# KiCad board fella.kicad_pcb (continued)
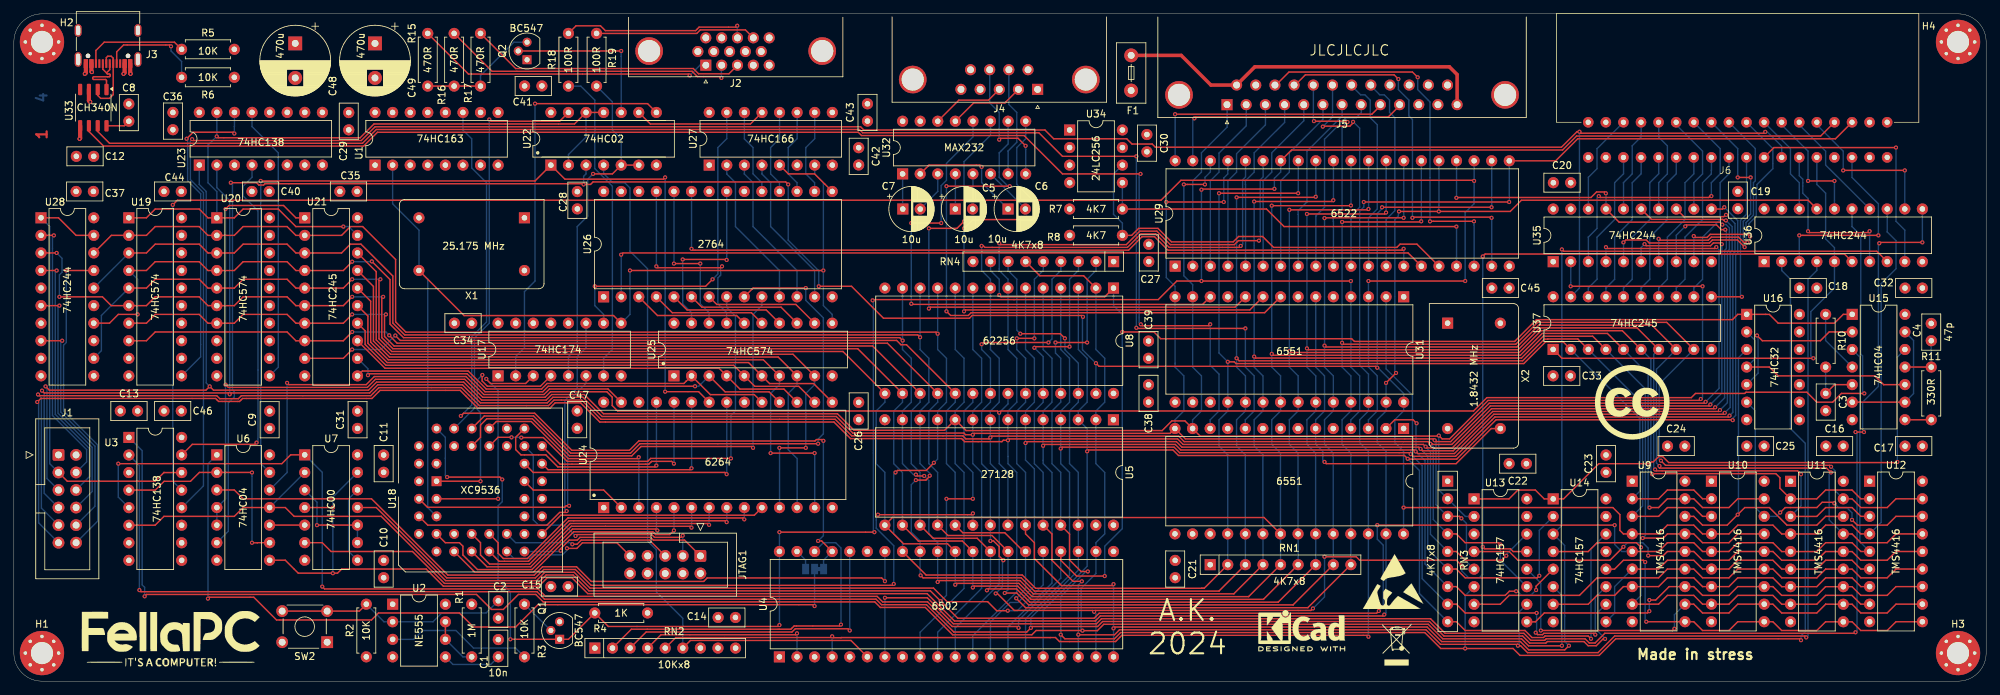
[diagram p0: board, top side]
## Routing (per net, layer and track width the routed paths; a pad name or vN(x,y) marks a point on that pad's centre or on a via; arc(x,y) is an arc through that point) (continued)
/cpu/A14: length 354.2
  Top w0.2: U15.1 264.26,53.05 262.99,51.78 254.86,51.78 253.59,53.05 253.08,53.05 253.08,53.05 U16.1 249.03,53.05 248.26,52.29 219.95,52.29 216.79,49.14 193.65,49.14 193.25,49.54 165.66,49.54 164.69,50.51 v1(160.12,50.51) ; v1(145.13,7.71) 144.93,7.91 135.55,7.91 131.99,11.46 125.51,11.46 124.71,12.26 76.81,12.26 75.73,13.34 44.89,13.34 v1(44.55,13.68) ; v1(157.58,15.2) 153.52,15.2 151.23,17.49 U4.24 ; U8.1 157.58,55.59 142.59,55.59 v1(142.34,55.84) ; v1(15.09,31.46) 38.71,31.46 39.98,32.73 U7.1
  Bottom w0.2: v1(15.09,31.46) 15.09,26.63 U3.5 ; RN4.8 141.09,59.38 142.34,58.13 v1(142.34,55.84) ; U4.24 151.23,14.89 145.13,8.79 v1(145.13,7.71) ; v1(44.55,13.68) 44.55,30.2 U7.1 ; U8.1 158.85,54.32 160.12,53.05 v1(160.12,50.51) 160.12,22.06 157.58,19.52 v1(157.58,15.2)
/cpu/A15: length 153.9
  Top w0.2: U3.6 20.41,22.55 21.69,23.84 31.85,23.84 33.12,25.11 39.21,25.11 40.49,23.84 53.07,23.84 62.37,14.54 75.5,14.54 76.71,15.75 80.95,15.75 83.24,13.46 132.85,13.46 134.81,11.5 140.67,11.5 141.98,10.19 v1(143.57,10.19)
  Bottom w0.2: v1(143.57,10.19) 144.95,10.19 148.69,13.93 U4.25 ; U7.2 42.02,30.19 36.94,25.11
/cpu/D0: length 394.6
  Top w0.2: v1(127.35,30.19) 127.65,30.48 131.8,30.48 v1(132.9,31.58) ; v1(133.45,50.25) 133.22,50.48 56.63,50.48 55.14,51.97 55.14,61 50.39,65.75 48.61,65.75 47.34,64.47 U21.2 40.75,64.47 39.47,65.75 33.12,65.75 31.84,64.47 U20.2 28.05,64.47 26.77,65.75 20.42,65.75 19.15,64.48 U19.2 14.08,64.48 U28.18 ; U4.33 131.78,15.35 145.67,15.35 147.59,13.43 171.55,13.43 ; v1(175.36,46.19) 176.29,46.19 176.54,45.94 218.12,45.94 221.26,49.08 223.8,49.08 U37.2 ; 171.55,13.43 171.96,13.43 ; 171.55,13.43 171.94,13.43 RN1.2 ; U10.2 243.94,26.38 242.67,27.65 238.86,27.65 237.59,26.38 U9.2 ; v1(174.09,70.57) v1(185.52,70.57)
  Bottom w0.2: U9.2 234.88,27.48 234.88,37.98 234.8,38.06 234.8,38.08 U37.2 ; v1(132.9,31.58) 133.44,32.12 U5.11 133.44,39.07 134.72,40.35 134.72,46.7 133.45,47.97 v1(133.45,50.25) U8.11 ; v1(127.35,30.19) 127.1,29.93 127.1,21.3 128.37,20.03 U4.33 ; RN1.2 175.36,21.29 U30.18 175.35,32.74 174.09,34 174.09,37.81 175.37,39.08 U31.18 175.37,46.19 v1(175.36,46.19) 174.09,47.46 v1(174.09,70.57) ; U29.33 185.54,70.59 v1(185.52,70.57)
/cpu/D1: length 393.6
  Top w0.2: U9.3 237.59,23.84 238.86,25.11 242.67,25.11 243.94,23.84 U10.3 ; v1(176.63,46.7) 176.99,46.34 217.95,46.34 221.09,49.48 221.57,49.48 221.59,49.49 225.93,49.49 U37.3 ; v1(130.98,15.3) 131.33,14.95 145.51,14.95 147.43,13.03 174.1,13.03 174.1,13.05 RN1.3 ; v1(132.3,29.72) 132.3,29.64 131.75,29.08 v1(130.3,29.08) ; v1(130.91,49.75) 130.57,50.08 56.46,50.08 54.75,51.8 54.75,58.6 50.14,63.21 48.61,63.21 47.34,61.93 U21.3 40.75,61.93 39.47,63.21 33.12,63.21 31.84,61.93 U20.3 28.05,61.93 26.77,63.21 20.42,63.21 19.15,61.94 U19.3 ; v1(176.63,69.97) 187.97,69.97 v1(188.06,70.07)
  Bottom w0.2: U9.3 235.28,25.34 235.28,40.14 U37.3 ; v1(176.63,69.97) v1(176.63,46.7) 176.63,45.43 177.91,44.15 U31.19 177.91,39.08 176.63,37.81 176.63,34 177.89,32.74 U30.19 177.9,21.29 RN1.3 ; v1(132.3,29.72) 132.3,30.06 130.9,31.47 U5.12 130.9,39.07 132.18,40.35 132.18,46.7 130.91,47.97 v1(130.91,49.75) U8.12 ; v1(130.98,15.3) 130.91,15.37 U4.32 130.91,20.28 129.64,21.55 129.64,28.42 v1(130.3,29.08) ; U19.3 16.61,61.92 U28.16 ; v1(188.06,70.07) 188.08,70.09 U29.32
/cpu/D2: length 405.8
  Top w0.2: v1(128.39,49.26) 127.97,49.68 56.3,49.68 54.34,51.64 54.34,58.08 v1(51.71,60.72) ; v1(133.45,14.35) 133.65,14.55 145.34,14.55 147.26,12.63 176.24,12.63 176.24,12.65 RN1.4 ; v1(17.88,53.05) 15.09,53.05 13.82,51.78 11.55,51.78 ; v1(48.87,60.67) 47.59,59.39 U21.4 40.75,59.39 39.47,60.67 33.12,60.67 31.84,59.39 U20.4 28.05,59.39 26.77,60.67 20.42,60.67 19.15,59.4 U19.4 ; U10.15 249.02,21.3 247.75,20.03 243.94,20.03 242.67,21.3 U9.15 238.86,21.3 238.26,20.7 v1(235.3,20.7) ; v1(131.5,29.68) 130.5,29.68 v1(130.3,29.88) ; v1(190.6,69.56) 190.42,69.37 v1(179.17,69.37) ; U37.4 228.07,49.89 220.94,49.89 217.79,46.74 179.39,46.74 v1(179.17,46.95)
  Bottom w0.2: v1(17.88,53.05) 17.88,58.13 U19.4 ; v1(235.3,20.7) 235.68,21.07 235.68,42.28 U37.4 ; U8.13 128.37,47.97 129.64,46.7 129.64,40.35 128.36,39.07 U5.13 128.36,31.47 129.95,29.88 v1(130.3,29.88) ; RN1.4 180.44,21.29 U30.20 180.43,32.74 179.17,34 179.17,37.81 180.44,39.08 180.44,44.15 179.17,45.43 v1(179.17,46.95) v1(179.17,69.37) ; U29.31 190.62,69.58 v1(190.6,69.56) ; v1(133.45,14.35) U4.31 133.45,20.03 132.18,21.3 132.18,29 v1(131.5,29.68) ; v1(48.87,60.67) 51.66,60.67 v1(51.71,60.72)
/cpu/D3: length 448.5
  Top w0.2: v1(181.71,68.77) 193.12,68.77 v1(193.14,68.8) ; v1(48.87,58.13) 47.59,56.85 U21.5 40.75,56.85 39.47,58.13 33.12,58.13 31.84,56.85 U20.5 28.05,56.85 26.77,58.13 20.42,58.13 19.15,56.86 U19.5 ; v1(135.99,13.95) 136.19,14.15 145.18,14.15 147.1,12.23 178.38,12.23 178.38,12.25 RN1.5 ; U30.21 180.6,23.67 126.92,23.67 U5.15 128.52,19.87 134.88,19.87 U4.30 ; U37.5 230.21,50.29 220.78,50.29 217.62,47.14 181.91,47.14 v1(181.71,47.34) ; v1(52.94,58.13) 52.93,58.13 52.75,57.94 52.75,49.53 54.59,47.68 119.77,47.68 U8.15 ; v1(236.28,25.11) 237.59,25.11 238.86,26.38 U9.17 242.67,26.38 243.94,25.11 247.75,25.11 249.02,26.38 U10.17
  Bottom w0.2: U37.5 236.08,44.42 236.08,25.31 v1(236.28,25.11) ; v1(48.87,58.13) v1(52.94,58.13) ; U4.30 v1(135.99,13.95) ; U8.15 125.83,40.35 124.56,39.08 124.56,31.46 125.82,30.2 U5.15 ; RN1.5 182.98,21.29 U30.21 182.97,32.99 181.71,34.25 181.71,37.81 182.98,39.08 182.98,44.15 181.71,45.43 v1(181.71,68.77) ; U28.12 12.64,47.8 12.64,52.89 U19.5 ; v1(193.14,68.8) 193.16,68.82 U29.30
/cpu/D4: length 409
  Top w0.2: U4.29 137.02,20.27 130.66,20.27 U5.16 ; RN1.6 180.52,11.84 180.52,11.83 146.93,11.83 145.01,13.75 138.73,13.75 v1(138.53,13.55) ; v1(184.25,68.17) 195.57,68.17 v1(195.68,68.29) ; v1(184.25,47.74) 184.45,47.54 217.46,47.54 220.61,50.69 232.35,50.69 U37.6 ; v1(236.68,29.93) 236.76,30.02 254.52,30.02 255.12,29.43 255.12,27.9 U11.2 260.44,26.37 261.72,27.65 265.53,27.65 266.8,26.38 U12.2 ; v1(6.18,61.94) U28.3 ; v1(53.34,55.59) 53.19,55.59 53.14,55.55 53.14,49.69 54.76,48.08 121.91,48.08 U8.16 ; v1(6.58,55.59) 12.8,55.59 14.07,54.32 U19.6 19.15,54.32 20.42,55.59 26.77,55.59 28.05,54.31 U20.6 31.84,54.31 33.12,55.59 39.47,55.59 40.75,54.31 U21.6 47.59,54.31 v1(48.87,55.59)
  Bottom w0.2: U5.16 128.36,30.2 127.1,31.46 127.1,39.08 128.37,40.35 U8.16 ; v1(6.58,55.59) 6.58,58.77 6.96,59.14 6.96,61.16 v1(6.18,61.94) ; v1(48.87,55.59) v1(53.34,55.59) ; v1(184.25,68.17) 184.25,45.43 185.53,44.15 U31.22 185.53,39.08 184.25,37.81 184.25,34.25 185.51,32.99 U30.22 185.52,21.29 RN1.6 ; U4.29 v1(138.53,13.55) ; U29.29 195.7,68.31 v1(195.68,68.29) ; v1(236.68,29.93) 236.48,30.13 236.48,46.56 U37.6
/cpu/D5: length 395.2
  Top w0.2: v1(140.56,13.15) 140.76,13.35 144.85,13.35 146.76,11.43 182.66,11.43 182.66,11.45 RN1.7 ; U4.28 139.16,20.67 132.8,20.67 U5.17 ; U37.7 234.49,51.09 220.45,51.09 217.29,47.94 186.99,47.94 v1(186.79,48.14) ; v1(186.79,67.57) 198.01,67.57 v1(198.22,67.78) ; v1(258.16,29.93) 257.68,30.42 237.29,30.42 v1(237.09,30.62) ; U11.3 260.44,23.83 261.72,25.11 265.53,25.11 266.8,23.84 U12.3 ; U8.17 124.05,48.48 54.92,48.48 53.55,49.86 53.55,52.85 v1(53.75,53.05) ; v1(48.87,53.05) 47.59,51.77 U21.7 40.75,51.77 39.47,53.05 33.12,53.05 31.84,51.77 U20.7 28.05,51.77 26.77,53.05 20.42,53.05 19.15,51.78 16.61,51.78
  Bottom w0.2: U8.17 130.91,40.35 129.64,39.08 129.64,31.46 130.9,30.2 U5.17 ; U29.28 198.24,67.8 v1(198.22,67.78) ; v1(48.87,53.05) v1(53.75,53.05) ; v1(140.56,13.15) 141.07,13.66 U4.28 ; v1(186.79,67.57) 186.79,45.43 188.07,44.15 U31.23 188.07,39.08 186.79,37.81 186.79,34.25 188.05,32.99 U30.23 188.06,21.29 RN1.7 ; v1(258.16,29.93) 258.16,25.34 U11.3 ; U37.7 236.88,47.26 236.88,30.83 v1(237.09,30.62)
/cpu/D6: length 401.7
  Top w0.2: v1(200.76,67.02) 189.37,67.02 v1(189.33,66.97) ; U12.15 271.88,21.3 270.61,20.03 266.8,20.03 265.54,21.29 U11.15 ; v1(143.14,12.75) 144.88,12.75 146.6,11.03 184.8,11.03 184.8,11.05 RN1.8 ; v1(262.48,30.19) 261.85,30.82 237.72,30.82 237.72,30.82 v1(237.72,31.12) ; U37.8 236.63,51.49 220.28,51.49 217.12,48.34 189.53,48.34 v1(189.33,48.54) ; U5.18 134.94,21.07 141.3,21.07 U4.27 ; v1(54.23,50.03) 55.37,48.88 126.19,48.88 U8.18 ; U19.8 19.15,49.24 20.42,50.51 39.47,50.51 40.75,49.23 U21.8 47.59,49.23 v1(48.87,50.51)
  Bottom w0.2: U37.8 237.28,45.12 237.28,31.55 v1(237.72,31.12) ; v1(48.87,50.51) 53.74,50.51 v1(54.23,50.03) ; U29.27 200.78,67.04 v1(200.76,67.02) ; U11.15 262.23,23.33 262.23,29.93 v1(262.48,30.19) ; U5.18 133.44,30.2 132.18,31.46 132.18,39.08 133.45,40.35 U8.18 ; U4.27 143.61,13.21 v1(143.14,12.75) ; v1(189.33,66.97) 189.33,45.43 190.6,44.15 U31.24 190.6,39.08 189.33,37.81 189.33,34.25 190.59,32.99 U30.24 190.6,21.29 RN1.8
/cpu/D7: length 375.7
  Top w0.2: v1(55.11,49.99) 55.82,49.28 127.52,49.28 128.14,48.66 128.95,48.66 U8.19 ; v1(203.3,66.51) 203.21,66.42 v1(191.87,66.42) ; U12.17 271.88,26.38 270.61,25.11 266.8,25.11 265.54,26.37 U11.17 ; v1(237.93,31.89) 237.93,31.88 238.59,31.22 262.3,31.22 v1(262.51,31.01) ; v1(191.87,48.94) 192.07,48.74 216.96,48.74 220.11,51.89 238.77,51.89 U37.9 ; U4.26 145.85,18.76 143.14,21.47 137.08,21.47 U5.19 ; RN1.9 186.94,10.65 186.94,10.63 146.15,10.63 v1(144.8,11.98) ; v1(48.87,47.97) 47.59,46.69 U21.9
  Bottom w0.2: U8.19 135.99,40.35 134.72,39.08 134.72,31.46 135.98,30.2 U5.19 ; v1(55.11,49.99) 55.05,49.99 53.02,47.97 v1(48.87,47.97) ; U4.26 146.15,13.34 v1(144.8,11.98) ; v1(191.87,66.42) 191.87,45.43 193.15,44.15 U31.25 193.15,39.08 191.87,37.81 191.87,34.25 193.13,32.99 U30.25 193.14,21.29 RN1.9 ; v1(237.93,31.89) 237.68,32.14 237.68,42.98 U37.9 ; v1(262.51,31.01) 263.08,30.44 263.08,27.56 U11.17 ; v1(203.3,66.51) 203.32,66.53 U29.26
/cpu/PH2: length 315.9
  Top w0.2: v1(199.66,44.58) v1(198.22,43.14) ; 36.94,17.49 39.21,17.49 41.09,15.62 v1(46.08,15.62) 46.75,15.62 47.35,16.22 59.56,16.22 62.04,13.74 75.83,13.74 77.04,14.95 80.62,14.95 82.9,12.66 131.93,12.66 135.88,8.71 156.22,8.71 156.95,9.43 197.77,9.43 v1(197.97,9.63) ; v1(46.08,25.09) 46.06,25.11 U7.4 ; 260.46,68.3 259.2,69.56 217.78,69.56 216.16,67.94 v1(205.84,67.94) v1(200.09,67.94)
  Bottom w0.2: U29.25 205.86,68.82 205.84,68.8 v1(205.84,67.94) ; v1(197.97,9.63) 198.21,9.87 U30.27 198.21,33.25 196.95,34.51 196.95,37.81 198.22,39.08 U31.27 198.22,43.14 v1(198.22,43.14) ; v1(46.08,15.62) v1(46.08,25.09) 46.08,26.64 U7.13 ; v1(200.09,67.94) 200,67.85 200,67.27 199.49,66.76 199.49,44.75 v1(199.66,44.58)
/cpu/R/W: length 442.4
  Top w0.2: v1(197.64,68.54) v1(213.46,68.54) ; U12.4 266.8,21.3 265.53,22.57 261.72,22.57 260.44,21.29 U11.4 255.38,21.29 254.1,22.57 249.02,22.57 247.75,21.3 U10.4 243.94,21.3 242.67,22.57 238.86,22.57 237.59,21.3 U9.4 232.51,21.3 232,21.81 232,24.09 230.99,25.11 v1(200.75,25.11) ; v1(156.31,45.99) 156.77,45.54 196.75,45.54 v1(196.95,45.34) ; v1(111.86,71.84) 111.5,72.21 83.67,72.21 83.3,71.84 v1(82.3,71.84) 82.2,71.95 36.28,71.95 36.08,71.75 35.41,71.75 35.07,72.1 v1(31.34,72.1) ; v1(154.44,52.69) 154.24,52.89 138.44,52.89 138.04,52.49 125.62,52.49 121,57.11 v1(116.28,57.11)
  Bottom w0.2: 196.95,45.43 200.77,41.61 U31.28 200.77,39.08 199.49,37.81 199.49,34.51 200.75,33.25 v1(200.75,25.11) U30.28 ; 196.95,45.43 196.95,67.66 197.64,68.35 v1(197.64,68.54) ; 196.95,45.43 v1(196.95,45.34) ; v1(116.28,57.11) 116.28,59.36 111.86,63.77 v1(111.86,71.84) ; U8.27 v1(156.31,45.99) 154.37,47.93 154.37,52.62 v1(154.44,52.69) ; U6.6 30.98,21.69 30.98,40.24 31.85,41.11 31.85,41.86 31.58,42.13 31.58,71.86 v1(31.34,72.1) ; v1(213.46,68.54) 213.48,68.56 U29.22 ; 270.62,68.3 270.62,64.99 270.61,64.99 271.88,63.72 271.88,59.65 269.74,57.51 269.74,22.96 U12.4 ; v1(82.3,71.84) 82.3,73.02 82.66,73.37 U22.3
/io/ROMSEL0: length 115.5
  Top w0.2: v1(97.89,62.54) 98.09,62.34 161.03,62.34 162.98,64.29 164.77,64.29 166.72,62.34 200.56,62.34 v1(200.76,62.54)
  Bottom w0.2: v1(200.76,62.54) 200.78,62.52 U29.14 ; v1(97.89,62.54) 97.9,62.54 97.9,70.83
/io/ROMSEL1: length 122.6
  Top w0.2: v1(87.73,61.68) 87.98,61.94 201.41,61.94 U29.15
  Bottom w0.2: v1(87.73,61.68) 87.73,61.68 U26.2
/io/RX: length 205.2
  Top w0.2: v1(162.79,51.62) 162.99,51.42 172.62,51.42 v1(172.82,51.62) ; U33.6 10.84,79.5 12.95,77.39 50.53,77.39 52.52,79.39 121.98,79.39 122.45,78.92 145.93,78.92 151.48,73.37 v1(162.75,73.37)
  Bottom w0.2: U30.12 172.81,37.8 174.09,39.08 174.09,44.41 172.82,45.68 v1(172.82,51.62) ; v1(162.75,73.37) 162.55,73.17 162.55,51.86 v1(162.79,51.62)
/io/TX: length 210.1
  Top w0.2: U33.7 12.11,79.5 13.82,77.79 50.36,77.79 52.36,79.79 122.15,79.79 122.62,79.32 148.07,79.32 151.48,75.91 v1(162.15,75.91) ; v1(162.15,51.11) 162.24,51.02 v1(177.9,51.02)
  Bottom w0.2: v1(162.15,75.91) v1(162.15,51.11) ; v1(177.9,51.02) 177.9,45.43 179.17,44.16 179.17,39.08 177.89,37.8 U30.10
/memory/DA0: length 71.1
  Top w0.2: U13.4 216.02,18.74 217.27,17.49 230.57,17.49 v1(232.51,19.43) ; v1(236.09,18.16) 238.26,18.16 238.86,18.76 U9.14 242.67,18.76 243.94,17.49 247.75,17.49 249.02,18.76 U10.14 254.1,18.76 255.37,17.49 260.45,17.49 261.72,18.76 261.73,18.75 U11.14 265.54,18.75 266.8,17.49 270.61,17.49 271.88,18.76 U12.14
  Bottom w0.2: v1(236.09,18.16) 236.09,19.25 235.3,20.03 233.11,20.03 v1(232.51,19.43)
/memory/DA1: length 70
  Top w0.2: U13.7 214.72,11.12 216,12.41 226.16,12.41 228.7,14.95 237.59,14.95 238.86,16.22 U9.13 242.67,16.22 243.94,14.95 247.75,14.95 249.02,16.22 U10.13 254.1,16.22 255.37,14.95 260.45,14.95 261.72,16.22 261.73,16.21 U11.13 265.54,16.21 266.8,14.95 270.61,14.95 271.88,16.22 U12.13
/memory/DA2: length 63.3
  Top w0.2: v1(236.25,10.12) 236,9.87 221.08,9.87 219.79,8.58 U13.9 ; v1(236.25,11.74) 237.17,11.74 239.11,13.68 U9.12 242.67,13.68 243.94,12.41 247.75,12.41 249.02,13.68 U10.12 254.1,13.68 255.37,12.41 260.45,12.41 261.71,13.67 U11.12 265.54,13.67 266.8,12.41 270.61,12.41 271.88,13.68 U12.12
  Bottom w0.2: v1(236.25,10.12) v1(236.25,11.74)
/memory/DA3: length 70.8
  Top w0.2: v1(220.57,7.33) 239.62,7.33 v1(239.88,7.58) ; U12.11 271.88,11.14 270.61,9.87 266.8,9.87 265.54,11.13 U11.11 261.73,11.13 261.72,11.14 260.45,9.87 255.37,9.87 254.1,11.14 U10.11 249.02,11.14 247.75,9.87 243.94,9.87 242.67,11.14 U9.11
  Bottom w0.2: U9.11 239.88,9.61 v1(239.88,7.58) ; U13.12 220.57,14.19 v1(220.57,7.33)
/memory/DA4: length 59.7
  Top w0.2: U12.8 266.8,11.14 265.53,12.41 261.72,12.41 260.44,11.13 U11.8 255.38,11.13 254.1,12.41 249.02,12.41 247.75,11.14 U10.8 243.94,11.14 242.67,12.41 238.86,12.41 237.59,11.14 U9.8 ; U14.4 227.41,18.74 228.7,20.03 234.38,20.03 v1(235.05,19.36)
  Bottom w0.2: U9.8 235.05,12.41 235.05,19.35 v1(235.05,19.36)
/memory/DA5: length 49.9
  Top w0.2: U14.7 227.41,11.12 228.7,12.41 231.24,12.41 232.51,13.68 U9.7 237.59,13.68 238.86,14.95 242.67,14.95 243.94,13.68 U10.7 247.75,13.68 249.02,14.95 254.1,14.95 255.38,13.67 U11.7 260.44,13.67 261.72,14.95 265.53,14.95 266.8,13.68 U12.7
/memory/DA6: length 46.7
  Top w0.2: U9.6 237.59,16.22 238.86,17.49 242.67,17.49 243.94,16.22 U10.6 247.75,16.22 249.02,17.49 254.1,17.49 255.38,16.21 U11.6 260.44,16.21 261.72,17.49 265.53,17.49 266.8,16.22 U12.6
  Bottom w0.2: U9.6 231.24,13.68 231.24,9.84 U14.9
/memory/DA7: length 58
  Top w0.2: v1(235.81,8.6) U9.10 242.67,8.6 243.94,7.33 247.75,7.33 249.02,8.6 U10.10 254.1,8.6 255.37,7.33 260.45,7.33 261.72,8.6 261.73,8.59 U11.10 265.54,8.59 266.8,7.33 270.61,7.33 271.88,8.6 U12.10 ; U14.12 231.22,16.2 232.51,17.49 235.4,17.49 v1(235.65,17.23)
  Bottom w0.2: v1(235.81,8.6) 235.65,8.76 v1(235.65,17.23)
/vga/BLANK: length 58.6
  Top w0.2: U22.8 91.54,83.53 v1(75.28,83.53)
  Bottom w0.2: U17.2 72.49,46.95 73.76,48.22 73.76,56.35 75.28,57.87 v1(75.28,83.53)
/vga/COL3: length 145.4
  Top w0.2: U18.18 79,24 106.97,24 108.06,25.1
  In1.Cu w0.2: U18.18 76.3,18.76 72.92,15.38 59.58,15.38 58.74,16.22 23.21,16.22 18.59,20.84 18.59,36.28 16.61,38.26 16.61,39.84 18.79,42.02 19.77,42.02 20.56,42.81 20.56,60.81 U19.19
/vga/COL4: length 143.2
  Top w0.2: v1(105.51,23.4) 105.31,23.6 80.03,23.6 74.17,17.74 70.71,17.74 69.95,18.5 69.95,20.03 U18.14
  In1.Cu w0.2: U19.18 20.96,58.67 20.96,42.64 18.99,40.67 18.99,22.98 23.21,18.76 56.77,18.76 59.74,15.78 67.73,15.78 69.95,18 69.95,20.03 U18.14
  Bottom w0.2: U24.9 105.51,25.09 v1(105.51,23.4)
/vga/COL5: length 129.8
  Top w0.2: v1(102.97,23) 102.77,23.2 80.2,23.2 74.34,17.34 70.1,17.34 U18.13
  In1.Cu w0.2: U19.17 21.36,56.53 21.36,42.48 19.39,40.51 19.39,25.12 23.21,21.3 54.79,21.3 59.91,16.18 66.1,16.18 U18.13
  Bottom w0.2: 102.98,25.1 102.98,23.02 v1(102.97,23)
/vga/COL6: length 130
  Top w0.2: v1(100.43,22.6) 100.23,22.8 80.37,22.8 74.51,16.94 68.72,16.94 67.41,18.25 67.41,20.03 U18.12
  In1.Cu w0.2: U18.12 67.41,20.03 67.41,18.05 65.94,16.58 60.07,16.58 52.82,23.84 23.21,23.84 19.79,27.26 19.79,40.34 21.76,42.31 21.76,54.39 U19.16
  Bottom w0.2: 100.44,25.1 100.44,23.34 100.43,23.33 v1(100.43,22.6)
/vga/COL7: length 116.5
  Top w0.2: U18.11 68.36,16.54 74.67,16.54 80.53,22.4 97.69,22.4 v1(97.89,22.2)
  In1.Cu w0.2: U19.15 22.16,52.25 22.16,42.15 20.19,40.18 20.19,29.4 23.21,26.38 50.84,26.38 60.24,16.98 64.36,16.98 U18.11
  Bottom w0.2: U24.6 97.91,22.22 v1(97.89,22.2)
/vga/COL8: length 110.2
  Top w0.2: v1(95.35,21.8) 94.75,21.2 92.71,21.2 92.31,21.6 80.86,21.6 75,15.74 66.62,15.74 U18.9
  In1.Cu w0.2: U18.9 62.33,20.03 57.76,20.03 56.34,21.44 56.34,23.22 50.65,28.92 23.21,28.92 20.59,31.54 20.59,40.01 22.56,41.98 22.56,50.11 24.23,51.78
  Bottom w0.2: U24.5 95.37,21.82 v1(95.35,21.8)
/vga/COL9: length 101.8
  Top w0.2: U18.8 62.33,20.03 64.36,20.03 64.87,19.52 64.87,18.25 66.98,16.14 74.84,16.14 80.7,22 92.75,22 v1(92.95,21.8)
  In1.Cu w0.2: U18.8 59.79,22.57 57.76,22.57 56.74,23.58 56.74,25.11 50.39,31.46 23.47,31.46 22.96,31.97 22.96,47.97 U19.13
  Bottom w0.2: v1(92.95,21.8) 92.82,21.93 92.82,25.1
/vga/GD0: length 102.6
  Top w0.2: 115.68,44.16 112.55,47.28 54.42,47.28 52.34,49.36 52.34,59.23 49.64,61.93 ; v1(114.4,33.74) v1(110.59,33.74)
  Bottom w0.2: v1(110.59,33.74) 110.6,33.73 110.6,25.1 ; 115.68,44.16 115.68,42.89 114.4,41.62 v1(114.4,33.74)
/vga/GD1: length 94.5
  Top w0.2: 49.64,59.39 51.94,57.09 51.94,49.2 54.26,46.88 110.41,46.88 U25.8
  Bottom w0.2: U25.8 113.13,42.89 111.86,41.62 111.86,33.49 113.15,32.21 U24.12
/vga/GD2: length 95.6
  Top w0.2: v1(115.67,32.98) v1(109.32,32.98) ; U25.7 108.27,46.48 54.09,46.48 51.55,49.03 51.55,54.95 49.64,56.85
  Bottom w0.2: U24.13 115.69,32.97 v1(115.67,32.98) ; v1(109.32,32.98) 109.32,41.62 110.59,42.89 U25.7
/vga/GD3: length 76.7
  Top w0.2: 49.64,54.31 51.14,52.81 51.14,48.86 53.93,46.08 106.13,46.08 109.17,43.04 115.53,43.04 118.22,40.34
/vga/GD4: length 71.9
  Top w0.2: 49.64,51.77 50.75,50.67 50.75,48.7 53.76,45.68 103.99,45.68 U25.5 107.03,42.64 113.38,42.64 U24.16
/vga/GD5: length 67.2
  Top w0.2: 49.64,49.23 53.62,45.26 101.88,45.26 U25.4 104.89,42.24 111.25,42.24 U24.17
/vga/GD6: length 66.2
  Top w0.2: U25.3 102.75,41.84 109.1,41.84 110.6,40.34 ; v1(51.15,44.26) 51.35,44.46 65.47,44.46 68.07,41.86 76.4,41.86 77.2,42.66 v1(98.4,42.66)
  Bottom w0.2: v1(98.4,42.66) 98.94,42.66 U25.3 ; 49.64,46.69 51.15,45.18 v1(51.15,44.26)
/vga/GD7: length 62.2
  Top w0.2: 108.06,40.34 106.97,41.44 100.61,41.44 97.9,44.16 97.13,43.4 97.13,43.4 96.79,43.06 77.04,43.06 76.24,42.26 68.24,42.26 65.64,44.86 50.35,44.86 49.64,44.15
/vga/HSYNC: length 46.1
  Bottom w0.2: U17.7 85.19,46.7 86.46,47.97 86.46,71.59 83.92,74.13 83.92,84.04 81.89,86.07 R18.1
/vga/ROW0: length 68.6
  Top w0.2: U18.36 67.41,35.27 67.41,37.05 68.32,37.95 74.91,37.95 80.27,32.59 89.25,32.59 90.61,33.94 106.58,33.94 v1(106.78,33.74)
  Bottom w0.2: v1(106.78,33.74) 106.78,53.05 108.06,54.32 108.06,55.59
/vga/ROW1: length 86.9
  Top w0.2: v1(114.4,56.86) 106.78,56.86 U26.9 ; v1(116.18,34.34) 90.44,34.34 89.09,32.99 80.44,32.99 75.07,38.35 67.96,38.35 U18.35
  Bottom w0.2: v1(114.4,56.86) 114.4,55.08 116.94,52.54 116.94,35.78 116.18,35.01 v1(116.18,34.34)
/vga/ROW2: length 61.2
  Top w0.2: U18.34 69.95,35.27 v1(71.89,35.27) ; v1(73.3,35.23) 76.5,35.23 79.94,31.79 91.56,31.79 91.99,32.22 v1(103.59,32.22)
  Bottom w0.2: v1(103.59,32.22) 103.59,38.42 104.24,39.08 104.24,52.79 102.97,54.06 102.97,54.07 U26.8 ; v1(73.3,35.23) 73.27,35.27 v1(71.89,35.27)
/vga/ROW3: length 92.2
  Top w0.2: v1(90.27,32.39) 90.07,32.19 80.11,32.19 74.74,37.55 69.7,37.55 U18.33
  In1.Cu w0.2: U18.33 64.69,40.53 35.96,40.53 33.66,42.82 33.66,61.19 U20.19
  Bottom w0.2: v1(90.27,32.39) 90.27,31.46 90.28,31.44 90.28,25.1
/vga/ROW4: length 96.7
  Top w0.2: v1(92.81,31.19) 92.61,30.99 78.59,30.99 76.85,32.73 73.25,32.73 72.49,33.49 72.49,35.27 U18.29
  In1.Cu w0.2: U20.18 34.06,59.05 34.06,42.99 36.12,40.93 69.37,40.93 U18.29
  Bottom w0.2: 92.82,40.34 92.82,31.2 v1(92.81,31.19)
/vga/ROW5: length 93.4
  Top w0.2: v1(95.35,31.46) 95.02,31.79 92.12,31.79 91.72,31.39 78.91,31.39 U18.28
  In1.Cu w0.2: U18.28 76.3,35.99 70.97,41.33 36.29,41.33 34.46,43.15 34.46,56.91 U20.17
  Bottom w0.2: U24.24 95.37,31.47 v1(95.35,31.46)
/vga/ROW6: length 107.2
  Top w0.2: v1(102.97,29.93) 102.72,30.19 75.03,30.19 U18.27
  In1.Cu w0.2: U18.27 75.03,32.73 76.94,32.73 77.57,33.36 77.57,35.29 71.13,41.73 36.45,41.73 34.86,43.32 34.86,54.77 U20.16
  Bottom w0.2: 102.98,40.34 102.98,29.95 v1(102.97,29.93)
/vga/ROW7: length 93.9
  Top w0.2: U18.26 77.17,30.59 97.69,30.59 v1(97.89,30.79)
  In1.Cu w0.2: U18.26 76.36,31.46 77.97,33.07 77.97,35.45 71.3,42.13 36.62,42.13 35.26,43.48 35.26,52.63 U20.15
  Bottom w0.2: v1(97.89,30.79) 97.91,30.8 U24.23